# KiCad board pcb.kicad_pcb
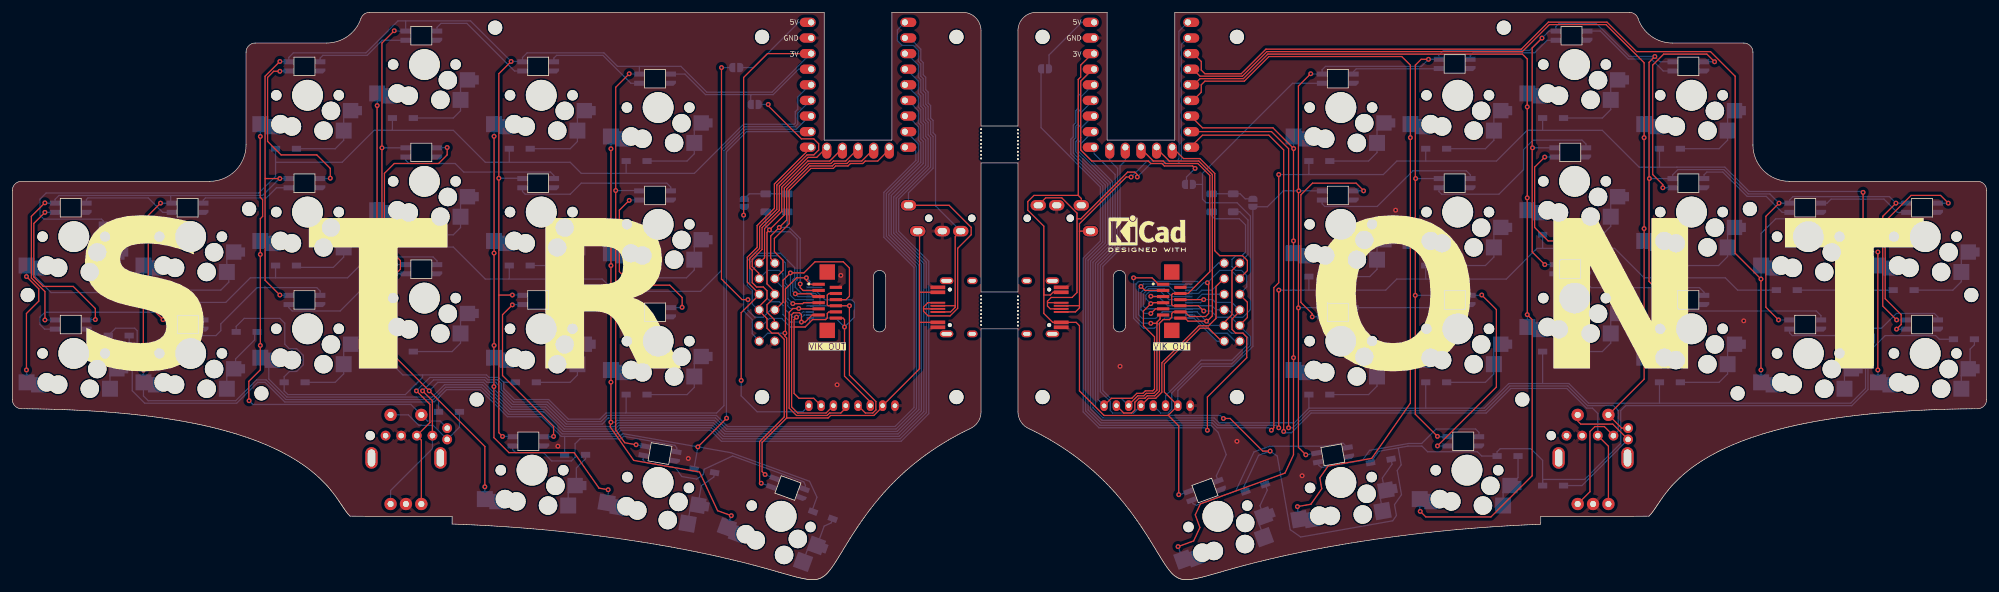
[diagram p0: board, top side]
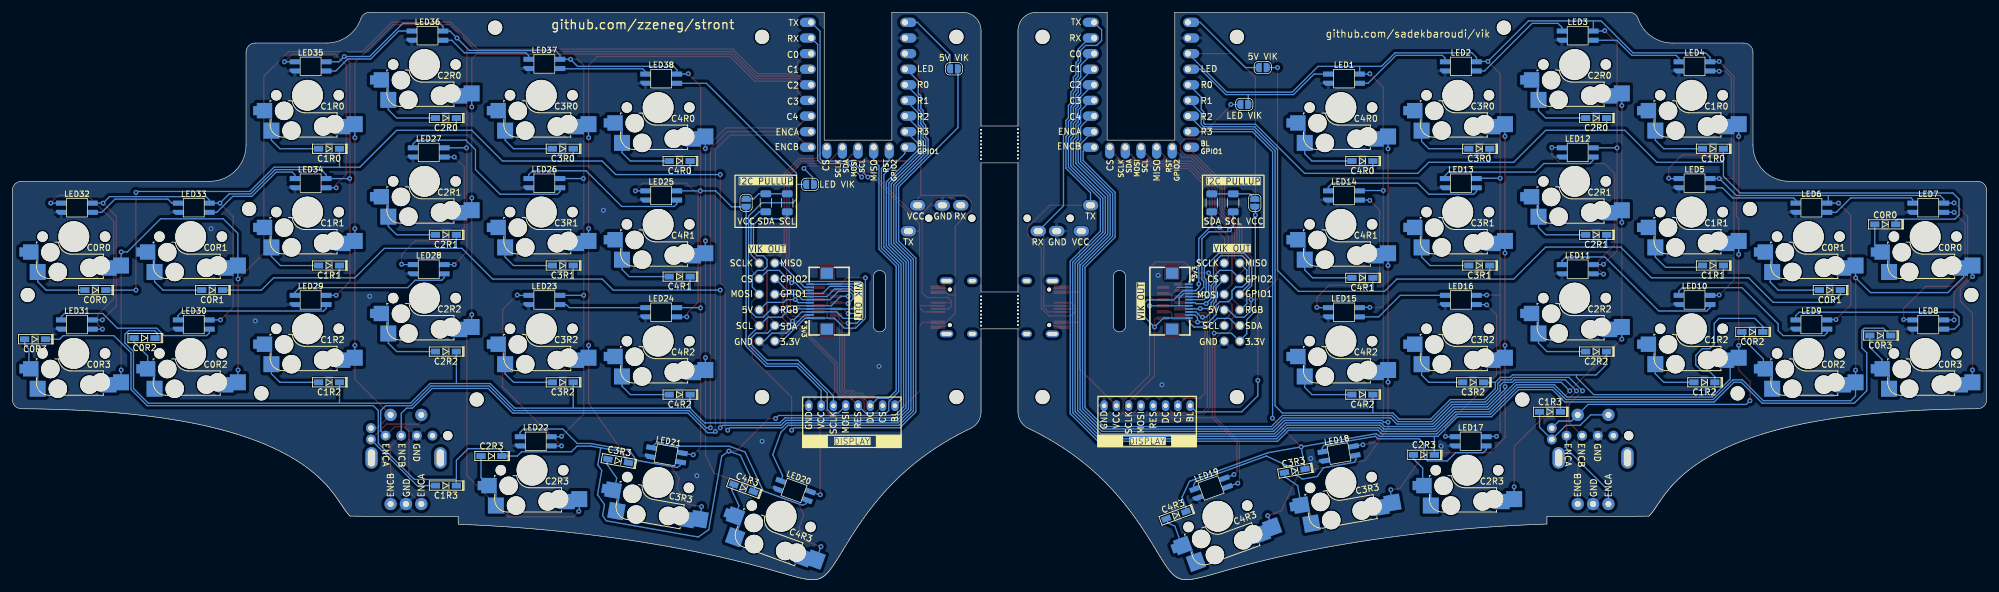
[diagram p1: board, bottom side, seen from below]

Outline 321 x 92.32 mm; copper layers: Top, Bottom. Coordinates in mm from the lower left corner of the outline.
Outline path: 157.5,27.32 157.5,40.82 163.5,40.82 163.5,27.32 ; 157.5,27.32 arc(156.98,25.63) 155.6,24.53 155.21,24.34 154.83,24.14 154.44,23.95 154.06,23.75 153.69,23.55 153.32,23.35 152.95,23.14 152.59,22.94 152.23,22.73 151.87,22.52 151.52,22.31 151.17,22.09 150.82,21.87 150.48,21.66 150.14,21.44 149.81,21.21 149.48,20.99 149.15,20.76 148.83,20.54 148.51,20.31 148.19,20.08 147.88,19.84 147.57,19.61 147.27,19.37 146.97,19.14 146.67,18.9 146.38,18.66 146.09,18.42 145.8,18.18 145.52,17.93 145.24,17.69 144.97,17.44 144.7,17.19 144.43,16.95 144.17,16.7 143.91,16.45 143.65,16.2 143.4,15.95 143.15,15.69 142.9,15.44 142.66,15.19 142.42,14.93 142.18,14.68 141.95,14.43 141.72,14.17 141.5,13.92 141.28,13.66 141.06,13.41 140.84,13.16 140.63,12.9 140.42,12.65 140.22,12.4 140.02,12.14 139.82,11.89 139.62,11.64 139.43,11.39 139.24,11.14 139.05,10.89 138.87,10.65 138.69,10.4 138.51,10.15 138.34,9.91 138.17,9.67 138,9.43 137.83,9.19 137.67,8.95 137.51,8.71 137.35,8.48 137.19,8.24 137.04,8.01 136.89,7.78 136.74,7.55 136.6,7.33 136.46,7.11 136.32,6.89 136.18,6.67 136.05,6.45 135.91,6.24 135.78,6.03 135.66,5.82 135.53,5.62 135.41,5.41 135.29,5.21 135.17,5.02 134.94,4.64 134.82,4.45 134.71,4.27 134.6,4.09 134.49,3.91 134.39,3.74 134.28,3.57 134.18,3.4 134.08,3.24 133.98,3.08 133.88,2.92 133.78,2.77 133.68,2.62 133.59,2.48 133.49,2.34 133.4,2.2 133.3,2.07 133.21,1.94 133.12,1.82 133.03,1.7 132.94,1.58 132.85,1.47 132.76,1.36 132.67,1.26 132.58,1.16 132.5,1.07 132.41,0.98 132.32,0.89 132.23,0.81 132.15,0.73 132.06,0.66 131.97,0.59 131.88,0.53 131.79,0.47 131.7,0.41 131.61,0.36 131.52,0.31 131.42,0.26 131.33,0.22 131.23,0.18 131.13,0.15 131.03,0.12 130.93,0.09 130.82,0.07 130.72,0.05 130.61,0.03 130.49,0.02 130.38,0.01 130.26,0 130.14,0 130.02,0 129.89,0 129.76,0.01 129.63,0.02 129.49,0.04 129.35,0.05 129.21,0.07 129.06,0.09 128.9,0.12 128.75,0.15 128.58,0.18 128.42,0.21 128.25,0.25 128.07,0.29 127.89,0.33 127.71,0.38 127.52,0.43 127.32,0.48 127.12,0.53 126.92,0.58 126.71,0.64 126.49,0.7 126.27,0.76 126.05,0.82 125.82,0.89 125.58,0.96 125.34,1.02 125.1,1.09 124.85,1.17 124.33,1.31 124.06,1.39 123.79,1.47 123.51,1.55 123.23,1.63 122.94,1.71 122.65,1.79 122.35,1.87 122.05,1.96 121.74,2.04 121.42,2.13 121.1,2.22 120.77,2.3 120.44,2.39 120.1,2.48 119.76,2.57 119.41,2.66 119.05,2.75 118.69,2.84 118.32,2.93 117.95,3.02 117.58,3.11 117.2,3.2 116.81,3.3 116.42,3.39 116.02,3.48 115.62,3.57 115.22,3.67 114.81,3.76 114.39,3.85 113.97,3.94 113.55,4.04 113.12,4.13 112.69,4.22 112.26,4.31 111.81,4.4 111.37,4.49 110.92,4.59 110.47,4.68 110.01,4.77 109.56,4.86 109.09,4.95 108.63,5.04 108.16,5.12 107.68,5.21 107.2,5.3 106.72,5.39 106.24,5.47 105.76,5.56 105.27,5.64 104.77,5.73 104.28,5.81 103.78,5.89 103.29,5.97 102.78,6.05 102.28,6.13 101.78,6.21 100.76,6.37 99.74,6.52 98.71,6.67 97.68,6.82 96.64,6.96 95.6,7.1 94.56,7.23 93.51,7.36 92.47,7.48 91.43,7.6 90.39,7.72 89.35,7.83 88.31,7.94 87.28,8.04 86.25,8.14 85.74,8.18 85.24,8.23 84.73,8.27 84.22,8.31 83.72,8.35 83.22,8.39 82.72,8.43 82.23,8.47 81.73,8.51 81.24,8.54 80.76,8.58 80.27,8.61 79.79,8.64 79.31,8.67 78.83,8.7 78.36,8.73 77.89,8.76 77.42,8.79 76.96,8.81 76.5,8.84 76.05,8.86 75.59,8.89 75.14,8.91 74.7,8.93 74.26,8.95 73.82,8.97 73.39,8.98 72.96,9 72.54,9.02 72.12,9.03 71.5,9.05 71.5,9.32 71.5,10.32 57.5,10.32 54.92,10.34 54.82,10.44 54.76,10.5 54.69,10.57 54.63,10.65 54.56,10.72 54.5,10.8 54.44,10.87 54.37,10.96 54.31,11.04 54.25,11.12 54.18,11.21 54.12,11.3 54.05,11.39 53.99,11.49 53.92,11.58 53.85,11.68 53.79,11.78 53.72,11.89 53.65,11.99 53.57,12.1 53.42,12.32 53.35,12.44 53.27,12.55 53.19,12.67 53.11,12.79 53.02,12.92 52.94,13.04 52.85,13.17 52.76,13.3 52.66,13.43 52.57,13.56 52.47,13.7 52.37,13.83 52.26,13.97 52.16,14.11 52.05,14.25 51.93,14.39 51.82,14.53 51.7,14.68 51.58,14.82 51.45,14.97 51.32,15.12 51.19,15.27 51.05,15.42 50.91,15.57 50.77,15.73 50.62,15.88 50.47,16.03 50.31,16.19 50.15,16.35 49.98,16.51 49.81,16.66 49.64,16.82 49.46,16.98 49.28,17.14 49.09,17.3 48.9,17.47 48.7,17.63 48.49,17.79 48.29,17.95 48.07,18.12 47.85,18.28 47.63,18.45 47.4,18.61 47.16,18.78 46.92,18.94 46.67,19.1 46.42,19.27 46.16,19.43 45.89,19.6 45.62,19.76 45.34,19.93 45.06,20.09 44.77,20.25 44.47,20.41 44.17,20.58 43.86,20.74 43.54,20.9 43.22,21.06 42.89,21.22 42.55,21.38 42.21,21.54 41.86,21.69 41.5,21.85 41.14,22.01 40.77,22.16 40.39,22.31 40,22.47 39.61,22.62 39.21,22.77 38.8,22.92 38.39,23.06 37.96,23.21 37.53,23.35 37.09,23.5 36.65,23.64 36.42,23.71 36.19,23.78 35.96,23.85 35.73,23.92 35.5,23.99 35.26,24.05 35.02,24.12 34.78,24.19 34.54,24.25 34.3,24.32 34.05,24.39 33.8,24.45 33.55,24.52 33.3,24.58 33.05,24.65 32.79,24.71 32.53,24.77 32.27,24.84 32.01,24.9 31.74,24.96 31.48,25.02 31.21,25.08 30.94,25.14 30.66,25.2 30.39,25.26 30.11,25.32 29.83,25.37 29.55,25.43 29.26,25.49 28.98,25.54 28.69,25.6 28.4,25.65 28.1,25.71 27.81,25.76 27.51,25.81 27.21,25.87 26.91,25.92 26.61,25.97 26.3,26.02 25.99,26.07 25.68,26.12 25.37,26.17 25.05,26.21 24.73,26.26 24.42,26.31 24.09,26.35 23.77,26.4 23.44,26.44 23.11,26.49 22.78,26.53 22.45,26.57 22.12,26.62 21.78,26.66 21.44,26.7 21.1,26.74 20.75,26.78 20.4,26.82 20.06,26.85 19.71,26.89 19.35,26.93 19,26.96 18.64,27 18.28,27.03 17.92,27.07 17.55,27.1 17.18,27.13 16.81,27.17 16.44,27.2 16.07,27.23 15.69,27.26 15.31,27.29 14.93,27.31 14.55,27.34 14.16,27.37 13.78,27.39 13.39,27.42 12.99,27.44 12.6,27.47 12.2,27.49 11.8,27.51 11.4,27.53 10.99,27.56 10.59,27.58 10.18,27.59 9.77,27.61 9.35,27.63 8.94,27.65 8.52,27.66 8.1,27.68 7.68,27.69 7.25,27.71 6.82,27.72 6.39,27.73 5.96,27.74 5.52,27.76 5.09,27.77 4.65,27.77 4.2,27.78 3.76,27.79 3.31,27.8 2.86,27.8 2.41,27.81 1.96,27.81 1.5,27.82 arc(0.44,28.26) 0,29.32 0,63.32 arc(0.44,64.38) 1.5,64.82 32.1,64.82 arc(36.27,66.55) 38,70.72 38,85.82 arc(38.44,86.88) 39.5,87.32 51.1,87.32 arc(54.53,88.42) 56.68,91.3 arc(57.23,92.04) 58.1,92.32 132,92.32 132,71.52 143,71.52 143,92.32 154.5,92.32 arc(156.62,91.44) 157.5,89.32 157.5,73.82 163.5,73.82 163.5,89.32 arc(164.38,91.44) 166.5,92.32 178,92.32 178,71.52 189,71.52 189,92.32 262.9,92.32 arc(263.77,92.04) 264.32,91.3 arc(266.47,88.42) 269.9,87.32 281.5,87.32 arc(282.56,86.88) 283,85.82 283,70.72 arc(284.73,66.55) 288.9,64.82 319.5,64.82 arc(320.56,64.38) 321,63.32 321,29.32 arc(320.56,28.26) 319.5,27.82 319.04,27.81 318.59,27.81 318.14,27.8 317.69,27.8 317.24,27.79 316.8,27.78 316.35,27.77 315.91,27.77 315.48,27.76 315.04,27.74 314.61,27.73 314.18,27.72 313.75,27.71 313.32,27.69 312.9,27.68 312.48,27.66 312.06,27.65 311.65,27.63 311.23,27.61 310.82,27.59 310.41,27.58 310.01,27.56 309.6,27.53 309.2,27.51 308.8,27.49 308.4,27.47 308.01,27.44 307.61,27.42 307.22,27.39 306.84,27.37 306.45,27.34 306.07,27.31 305.69,27.29 305.31,27.26 304.93,27.23 304.56,27.2 304.19,27.17 303.82,27.13 303.45,27.1 303.08,27.07 302.72,27.03 302.36,27 302,26.96 301.65,26.93 301.29,26.89 300.94,26.85 300.6,26.82 300.25,26.78 299.9,26.74 299.56,26.7 299.22,26.66 298.88,26.62 298.55,26.57 298.22,26.53 297.89,26.49 297.56,26.44 297.23,26.4 296.91,26.35 296.58,26.31 296.27,26.26 295.95,26.21 295.63,26.17 295.32,26.12 295.01,26.07 294.7,26.02 294.39,25.97 294.09,25.92 293.79,25.87 293.49,25.81 293.19,25.76 292.9,25.71 292.6,25.65 292.31,25.6 292.02,25.54 291.74,25.49 291.45,25.43 291.17,25.37 290.89,25.32 290.61,25.26 290.34,25.2 290.06,25.14 289.79,25.08 289.52,25.02 289.26,24.96 288.99,24.9 288.73,24.84 288.47,24.77 288.21,24.71 287.95,24.65 287.7,24.58 287.45,24.52 287.2,24.45 286.95,24.39 286.7,24.32 286.46,24.25 286.22,24.19 285.98,24.12 285.74,24.05 285.5,23.99 285.27,23.92 285.04,23.85 284.81,23.78 284.58,23.71 284.35,23.64 283.91,23.5 283.47,23.35 283.04,23.21 282.61,23.06 282.2,22.92 281.79,22.77 281.39,22.62 281,22.47 280.61,22.31 280.23,22.16 279.86,22.01 279.5,21.85 279.14,21.69 278.79,21.54 278.45,21.38 278.11,21.22 277.78,21.06 277.46,20.9 277.14,20.74 276.83,20.58 276.53,20.41 276.23,20.25 275.94,20.09 275.66,19.93 275.38,19.76 275.11,19.6 274.84,19.43 274.58,19.27 274.33,19.1 274.08,18.94 273.84,18.78 273.6,18.61 273.37,18.45 273.15,18.28 272.93,18.12 272.71,17.95 272.51,17.79 272.3,17.63 272.1,17.47 271.91,17.3 271.72,17.14 271.54,16.98 271.36,16.82 271.19,16.66 271.02,16.51 270.85,16.35 270.69,16.19 270.53,16.03 270.38,15.88 270.23,15.73 270.09,15.57 269.95,15.42 269.81,15.27 269.68,15.12 269.55,14.97 269.42,14.82 269.3,14.68 269.18,14.53 269.07,14.39 268.95,14.25 268.84,14.11 268.74,13.97 268.63,13.83 268.53,13.7 268.43,13.56 268.34,13.43 268.24,13.3 268.15,13.17 268.06,13.04 267.98,12.92 267.89,12.79 267.81,12.67 267.73,12.55 267.65,12.44 267.58,12.32 267.43,12.1 267.35,11.99 267.28,11.89 267.21,11.78 267.15,11.68 267.08,11.58 267.01,11.49 266.95,11.39 266.88,11.3 266.82,11.21 266.75,11.12 266.69,11.04 266.63,10.96 266.56,10.87 266.5,10.8 266.44,10.72 266.37,10.65 266.31,10.57 266.24,10.5 266.18,10.44 266.08,10.34 263.5,10.32 248.5,10.32 248.5,9.32 248.46,9.02 248.04,9 247.61,8.98 247.18,8.97 246.74,8.95 246.3,8.93 245.86,8.91 245.41,8.89 244.95,8.86 244.5,8.84 244.04,8.81 243.58,8.79 243.11,8.76 242.64,8.73 242.17,8.7 241.69,8.67 241.21,8.64 240.73,8.61 240.24,8.58 239.76,8.54 239.27,8.51 238.77,8.47 238.28,8.43 237.78,8.39 237.28,8.35 236.78,8.31 236.27,8.27 235.76,8.23 235.26,8.18 234.75,8.14 233.72,8.04 232.69,7.94 231.65,7.83 230.61,7.72 229.57,7.6 228.53,7.48 227.49,7.36 226.44,7.23 225.4,7.1 224.36,6.96 223.32,6.82 222.29,6.67 221.26,6.52 220.24,6.37 219.22,6.21 218.72,6.13 218.22,6.05 217.71,5.97 217.22,5.89 216.72,5.81 216.23,5.73 215.73,5.64 215.24,5.56 214.76,5.47 214.28,5.39 213.8,5.3 213.32,5.21 212.84,5.12 212.37,5.04 211.91,4.95 211.44,4.86 210.99,4.77 210.53,4.68 210.08,4.59 209.63,4.49 209.19,4.4 208.74,4.31 208.31,4.22 207.88,4.13 207.45,4.04 207.03,3.94 206.61,3.85 206.19,3.76 205.78,3.67 205.38,3.57 204.98,3.48 204.58,3.39 204.19,3.3 203.8,3.2 203.42,3.11 203.05,3.02 202.68,2.93 202.31,2.84 201.95,2.75 201.59,2.66 201.24,2.57 200.9,2.48 200.56,2.39 200.23,2.3 199.9,2.22 199.58,2.13 199.26,2.04 198.95,1.96 198.65,1.87 198.35,1.79 198.06,1.71 197.77,1.63 197.49,1.55 197.21,1.47 196.94,1.39 196.67,1.31 196.15,1.17 195.9,1.09 195.66,1.02 195.42,0.96 195.18,0.89 194.95,0.82 194.73,0.76 194.51,0.7 194.29,0.64 194.08,0.58 193.88,0.53 193.68,0.48 193.48,0.43 193.29,0.38 193.11,0.33 192.93,0.29 192.75,0.25 192.58,0.21 192.42,0.18 192.25,0.15 192.1,0.12 191.94,0.09 191.79,0.07 191.65,0.05 191.51,0.04 191.37,0.02 191.24,0.01 191.11,0 190.98,0 190.86,0 190.74,0 190.62,0.01 190.51,0.02 190.39,0.03 190.28,0.05 190.18,0.07 190.07,0.09 189.97,0.12 189.87,0.15 189.77,0.18 189.67,0.22 189.58,0.26 189.48,0.31 189.39,0.36 189.3,0.41 189.21,0.47 189.12,0.53 189.03,0.59 188.94,0.66 188.85,0.73 188.77,0.81 188.68,0.89 188.59,0.98 188.5,1.07 188.42,1.16 188.33,1.26 188.24,1.36 188.15,1.47 188.06,1.58 187.97,1.7 187.88,1.82 187.79,1.94 187.7,2.07 187.6,2.2 187.51,2.34 187.41,2.48 187.32,2.62 187.22,2.77 187.12,2.92 187.02,3.08 186.92,3.24 186.82,3.4 186.72,3.57 186.61,3.74 186.51,3.91 186.4,4.09 186.29,4.27 186.18,4.45 186.06,4.64 185.83,5.02 185.71,5.21 185.59,5.41 185.47,5.62 185.34,5.82 185.22,6.03 185.09,6.24 184.95,6.45 184.82,6.67 184.68,6.89 184.54,7.11 184.4,7.33 184.26,7.55 184.11,7.78 183.96,8.01 183.81,8.24 183.65,8.48 183.49,8.71 183.33,8.95 183.17,9.19 183,9.43 182.83,9.67 182.66,9.91 182.49,10.15 182.31,10.4 182.13,10.65 181.95,10.89 181.76,11.14 181.57,11.39 181.38,11.64 181.18,11.89 180.98,12.14 180.78,12.4 180.58,12.65 180.37,12.9 180.16,13.16 179.94,13.41 179.72,13.66 179.5,13.92 179.28,14.17 179.05,14.43 178.82,14.68 178.58,14.93 178.34,15.19 178.1,15.44 177.85,15.69 177.6,15.95 177.35,16.2 177.09,16.45 176.83,16.7 176.57,16.95 176.3,17.19 176.03,17.44 175.76,17.69 175.48,17.93 175.2,18.18 174.91,18.42 174.62,18.66 174.33,18.9 174.03,19.14 173.73,19.37 173.43,19.61 173.12,19.84 172.81,20.08 172.49,20.31 172.17,20.54 171.85,20.76 171.52,20.99 171.19,21.21 170.86,21.44 170.52,21.66 170.18,21.87 169.83,22.09 169.48,22.31 169.13,22.52 168.77,22.73 168.41,22.94 168.05,23.14 167.68,23.35 167.31,23.55 166.94,23.75 166.56,23.95 166.17,24.14 165.79,24.34 165.4,24.53 arc(164.02,25.63) 163.5,27.32 ; 140,49.32 140,41.32 arc(141,40.32) 142,41.32 142,49.32 arc(141,50.32) 140,49.32 ; 157.5,67.82 157.5,46.82 163.5,46.82 163.5,67.82 157.5,67.82 ; 179,49.32 179,41.32 arc(180,40.32) 181,41.32 181,49.32 arc(180,50.32) 179,49.32
Stack: Top 0.035mm / dielectric 1.51mm FR4 er 4.5 / Bottom 0.035mm

## Placement (name value [footprint] x y rotation side)
BR1  MountingHole  [Hole_Breakaway-Tabs]  157.5 70.91 90 top
BR2  MountingHole  [Hole_Breakaway-Tabs]  157.5 43.82 90 top
BR3  MountingHole  [Hole_Breakaway-Tabs]  163.5 70.82 90 top
BR4  MountingHole  [Hole_Breakaway-Tabs]  163.5 43.72 90 top
D1  D  [Diode_1N4148-SOD123]  16.5 57.82 0 bottom
D2  D  [Diode_1N4148-SOD123]  44.5 70.12 0 bottom
D3  D  [Diode_1N4148-SOD123]  63.5 75.12 0 bottom
D4  D  [Diode_1N4148-SOD123]  82.5 70.12 0 bottom
D5  D  [Diode_1N4148-SOD123]  101.5 68.12 0 bottom
D6  D  [Diode_1N4148-SOD123]  25.5 47.12 0 bottom
D7  D  [Diode_1N4148-SOD123]  44.5 51.12 0 bottom
D8  D  [Diode_1N4148-SOD123]  63.5 56.12 0 bottom
D9  D  [Diode_1N4148-SOD123]  82.5 51.12 0 bottom
D10  D  [Diode_1N4148-SOD123]  101.5 49.12 0 bottom
D11  D  [Diode_1N4148-SOD123]  38.1 40.32 0 bottom
D12  D  [Diode_1N4148-SOD123]  45.9 32.12 0 bottom
D13  D  [Diode_1N4148-SOD123]  63.5 37.12 0 bottom
D14  D  [Diode_1N4148-SOD123]  83.5 32.12 0 bottom
D15  D  [Diode_1N4148-SOD123]  101.5 30.12 0 bottom
D16  D  [Diode_1N4148-SOD123]  17.3 39.72 0 bottom
D17  D  [Diode_1N4148-SOD123]  71 27.32 0 bottom
D18  D  [Diode_1N4148-SOD123]  91.5 20.32 0 bottom
D19  D  [Diode_1N4148-SOD123]  112.5 17.72 350 bottom
D20  D  [Diode_1N4148-SOD123]  131.79 10.5 340 bottom
D21  D  [Diode_1N4148-SOD123]  307.5 47.12 0 bottom
D22  D  [Diode_1N4148-SOD123]  269.5 70.12 0 bottom
D23  D  [Diode_1N4148-SOD123]  250.5 75.12 0 bottom
D24  D  [Diode_1N4148-SOD123]  231.5 70.12 0 bottom
D25  D  [Diode_1N4148-SOD123]  212.5 68.12 0 bottom
D26  D  [Diode_1N4148-SOD123]  288.5 47.12 0 bottom
D27  D  [Diode_1N4148-SOD123]  269.5 51.12 0 bottom
D28  D  [Diode_1N4148-SOD123]  250.5 56.12 0 bottom
D29  D  [Diode_1N4148-SOD123]  231.5 51.12 0 bottom
D30  D  [Diode_1N4148-SOD123]  212.5 49.32 0 bottom
D31  D  [Diode_1N4148-SOD123]  299.5 39.32 0 bottom
D32  D  [Diode_1N4148-SOD123]  269.5 32.12 0 bottom
D33  D  [Diode_1N4148-SOD123]  250.5 37.12 0 bottom
D34  D  [Diode_1N4148-SOD123]  231.5 32.12 0 bottom
D35  D  [Diode_1N4148-SOD123]  212.5 30.12 0 bottom
D36  D  [Diode_1N4148-SOD123]  317.3 39.12 0 bottom
D37  D  [Diode_1N4148-SOD123]  250.5 15.32 0 bottom
D38  D  [Diode_1N4148-SOD123]  243.1 20.12 0 bottom
D39  D  [Diode_1N4148-SOD123]  222.5 19.32 10 bottom
D40  D  [Diode_1N4148-SOD123]  202.1 14.92 20 bottom
DISP1  Display_generic-spi-8pin  [Connector_Display-8pin-SPI-2.0mm]  143.5 28.32 180 top
DISP2  Display_generic-spi-8pin  [Connector_Display-8pin-SPI-2.0mm]  191.5 28.32 180 top
H1  MountingHole  [Hole_M2#2]  153.5 27.82 0 top
H2  MountingHole  [Hole_M2]  2.5 46.32 0 top
H3  MountingHole  [Hole_M2]  38.5 60.32 0 top
H4  MountingHole  [Hole_M2]  78.5 89.82 0 top
H5  MountingHole  [Hole_M2]  121.9 88.32 0 top
H6  MountingHole  [Hole_M2#7]  119.5 27.82 0 top
H7  MountingHole  [Hole_M2#3]  75.9 29.12 0 top
H8  MountingHole  [Hole_M2]  242.5 89.82 0 top
H9  MountingHole  [Hole_M2#4]  201.5 27.82 0 top
H10  MountingHole  [Hole_M2]  318.5 46.32 0 top
H11  MountingHole  [Hole_M2]  40.5 30.32 0 top
H12  MountingHole  [Hole_M2#8]  244.5 27.82 0 top
H13  MountingHole  [Hole_M2#2]  167.5 27.82 0 top
H14  MountingHole  [Hole_M2#6]  201.5 88.32 0 top
H15  MountingHole  [Hole_M2]  282.5 60.32 0 top
H16  MountingHole  [Hole_M2#5]  280.5 31.32 0 top
H17  MountingHole  [Hole_M2]  153.5 88.32 0 top
H19  MountingHole  [Hole_M2]  167.5 88.32 0 top
JP1  SolderJumper_2_Open  [SolderJumper-2_P1.3mm_Open_RoundedPad1.0x1.5mm]  117.7 83.32 180 bottom
JP2  SolderJumper_2_Open  [SolderJumper-2_P1.3mm_Open_RoundedPad1.0x1.5mm]  167.9 83.12 180 bottom
JP3  SolderJumper_2_Open  [SolderJumper-2_P1.3mm_Open_RoundedPad1.0x1.5mm]  119 61.32 270 bottom
JP4  SolderJumper_2_Open  [SolderJumper-2_P1.3mm_Open_RoundedPad1.0x1.5mm]  201.7 61.32 270 bottom
JP5  SolderJumper_2_Open  [SolderJumper-2_P1.3mm_Open_RoundedPad1.0x1.5mm]  120.7 77.32 0 bottom
JP6  SolderJumper_2_Open  [SolderJumper-2_P1.3mm_Open_RoundedPad1.0x1.5mm]  191.3 64.32 0 bottom
LED1  YS-SK6812MINI-E  [LED_SK6812-MINI-E]  104.5 81.52 180 bottom
LED2  YS-SK6812MINI-E  [LED_SK6812-MINI-E]  85.5 83.52 180 bottom
LED3  YS-SK6812MINI-E  [LED_SK6812-MINI-E]  66.5 88.52 180 bottom
LED4  YS-SK6812MINI-E  [LED_SK6812-MINI-E]  47.5 83.52 180 bottom
LED5  YS-SK6812MINI-E  [LED_SK6812-MINI-E]  47.5 64.52 180 bottom
LED6  YS-SK6812MINI-E  [LED_SK6812-MINI-E]  28.5 60.52 180 bottom
LED7  YS-SK6812MINI-E  [LED_SK6812-MINI-E]  9.5 60.52 180 bottom
LED8  YS-SK6812MINI-E  [LED_SK6812-MINI-E]  9.5 41.52 180 bottom
LED9  YS-SK6812MINI-E  [LED_SK6812-MINI-E]  28.5 41.52 180 bottom
LED10  YS-SK6812MINI-E  [LED_SK6812-MINI-E]  47.5 45.52 180 bottom
LED11  YS-SK6812MINI-E  [LED_SK6812-MINI-E]  66.5 50.52 180 bottom
LED12  YS-SK6812MINI-E  [LED_SK6812-MINI-E]  66.5 69.52 180 bottom
LED13  YS-SK6812MINI-E  [LED_SK6812-MINI-E]  85.5 64.52 180 bottom
LED14  YS-SK6812MINI-E  [LED_SK6812-MINI-E]  104.5 62.52 180 bottom
LED15  YS-SK6812MINI-E  [LED_SK6812-MINI-E]  104.5 43.52 180 bottom
LED16  YS-SK6812MINI-E  [LED_SK6812-MINI-E]  85.5 45.52 180 bottom
LED17  YS-SK6812MINI-E  [LED_SK6812-MINI-E]  83.9 22.52 180 bottom
LED18  YS-SK6812MINI-E  [LED_SK6812-MINI-E]  105.3 20.52 170 bottom
LED19  YS-SK6812MINI-E  [LED_SK6812-MINI-E]  126.1 14.92 160 bottom
LED20  YS-SK6812MINI-E  [LED_SK6812-MINI-E]  193.9 14.52 200 bottom
LED21  YS-SK6812MINI-E  [LED_SK6812-MINI-E]  214.7 20.32 190 bottom
LED22  YS-SK6812MINI-E  [LED_SK6812-MINI-E]  235.9 22.52 180 bottom
LED23  YS-SK6812MINI-E  [LED_SK6812-MINI-E]  234.5 45.52 180 bottom
LED24  YS-SK6812MINI-E  [LED_SK6812-MINI-E]  215.5 43.52 180 bottom
LED25  YS-SK6812MINI-E  [LED_SK6812-MINI-E]  215.5 62.52 180 bottom
LED26  YS-SK6812MINI-E  [LED_SK6812-MINI-E]  234.5 64.52 180 bottom
LED27  YS-SK6812MINI-E  [LED_SK6812-MINI-E]  253.3 69.52 180 bottom
LED28  YS-SK6812MINI-E  [LED_SK6812-MINI-E]  253.3 50.52 180 bottom
LED29  YS-SK6812MINI-E  [LED_SK6812-MINI-E]  272.5 45.52 180 bottom
LED30  YS-SK6812MINI-E  [LED_SK6812-MINI-E]  291.5 41.52 180 bottom
LED31  YS-SK6812MINI-E  [LED_SK6812-MINI-E]  310.5 41.52 180 bottom
LED32  YS-SK6812MINI-E  [LED_SK6812-MINI-E]  310.5 60.52 180 bottom
LED33  YS-SK6812MINI-E  [LED_SK6812-MINI-E]  291.5 60.52 180 bottom
LED34  YS-SK6812MINI-E  [LED_SK6812-MINI-E]  272.5 64.52 180 bottom
LED35  YS-SK6812MINI-E  [LED_SK6812-MINI-E]  272.5 83.52 180 bottom
LED36  YS-SK6812MINI-E  [LED_SK6812-MINI-E]  253.5 88.52 180 bottom
LED37  YS-SK6812MINI-E  [LED_SK6812-MINI-E]  234.5 83.92 180 bottom
LED38  YS-SK6812MINI-E  [LED_SK6812-MINI-E]  215.5 81.52 180 bottom
MCU1  rp2040-zero  [MCU_rp2040-zero-tht]  137.5 80.52 0 top
MCU2  rp2040-zero  [MCU_rp2040-zero-tht]  183.5 80.52 0 top
R1  R  [R_1206_3216Metric]  122.5 61.32 270 bottom
R2  R  [R_1206_3216Metric]  126 61.32 270 bottom
R3  R  [R_1206_3216Metric]  195 61.32 270 bottom
R4  R  [R_1206_3216Metric]  198.5 61.32 270 bottom
RE1  RotaryEncoder_Switch  [RotaryEncoder_EC11]  64 19.82 90 top
RE2  RotaryEncoder_Switch  [RotaryEncoder_EC11]  257 19.82 90 top
REF**  -  [KiCad-Logo2_5mm_SilkScreen]  184.5 56.32 0 top
REF**#2  -  [Logo_stront-small]  270.5 26.32 0 top
REF**#3  -  [Logo_QMK-soldermask]  136.5 56.32 0 top
REF**#4  -  [Logo_stront-small]  50.5 26.32 0 top
REF**#5  -  [Display_1.69inch]  188.1 52.32 180 top
REF**#6  -  [Display_1.69inch]  137.5 59.81 180 top
REF**#7  -  [Logo_stront-small]  134.5 57.32 180 bottom
REF**#8  -  [Logo_stront-small]  186.5 57.32 180 bottom
ROLL1  RollerEncoder_EVQWGD001  [RotaryEncoder_EVQWGD001]  64.5 17.82 270 top
ROLL2  RollerEncoder_EVQWGD001  [RotaryEncoder_EVQWGD001]  256.5 17.82 270 top
SW1  Switch  [Switch_MXKS-hotswap-south]  10 55.82 0 top
SW2  Switch  [Switch_MXKS-hotswap-south]  48 78.82 0 top
SW3  Switch  [Switch_MXKS-hotswap-south]  67 83.82 0 top
SW4  Switch  [Switch_MXKS-hotswap-south]  86 78.82 0 top
SW5  Switch  [Switch_MXKS-hotswap-south]  105 76.82 0 top
SW6  Switch  [Switch_MXKS-hotswap-south]  29 55.82 0 top
SW7  Switch  [Switch_MXKS-hotswap-south]  48 59.82 0 top
SW8  Switch  [Switch_MXKS-hotswap-south]  67 64.81 0 top
SW9  Switch  [Switch_MXKS-hotswap-south]  86 59.82 0 top
SW10  Switch  [Switch_MXKS-hotswap-south]  105 57.82 0 top
SW11  Switch  [Switch_MXKS-hotswap-south]  29 36.82 0 top
SW12  Switch  [Switch_MXKS-hotswap-south]  48 40.82 0 top
SW13  Switch  [Switch_MXKS-hotswap-south]  67 45.82 0 top
SW14  Switch  [Switch_MXKS-hotswap-south]  86 40.82 0 top
SW15  Switch  [Switch_MXKS-hotswap-south]  105 38.82 0 top
SW16  Switch  [Switch_MXKS-hotswap-south]  10 36.82 0 top
SW17  Switch  [Switch_MXKS-hotswap-south]  84.5 17.82 0 top
SW18  Switch  [Switch_MXKS-hotswap-south]  105 15.82 350 top
SW19  Switch  [Switch_MXKS-hotswap-south]  125 10.32 340 top
SW20  Switch  [Switch_MXKS-hotswap-south]  311 55.82 0 top
SW21  Switch  [Switch_MXKS-hotswap-south]  273 78.82 0 top
SW22  Switch  [Switch_MXKS-hotswap-south]  254 83.82 0 top
SW23  Switch  [Switch_MXKS-hotswap-south]  235 78.82 0 top
SW24  Switch  [Switch_MXKS-hotswap-south]  216 76.82 0 top
SW25  Switch  [Switch_MXKS-hotswap-south]  292 55.82 0 top
SW26  Switch  [Switch_MXKS-hotswap-south]  273 59.82 0 top
SW27  Switch  [Switch_MXKS-hotswap-south]  254 64.82 0 top
SW28  Switch  [Switch_MXKS-hotswap-south]  235 59.82 0 top
SW29  Switch  [Switch_MXKS-hotswap-south]  216 57.82 0 top
SW30  Switch  [Switch_MXKS-hotswap-south]  292 36.82 0 top
SW31  Switch  [Switch_MXKS-hotswap-south]  273 40.82 0 top
SW32  Switch  [Switch_MXKS-hotswap-south]  254 45.82 0 top
SW33  Switch  [Switch_MXKS-hotswap-south]  235 40.82 0 top
SW34  Switch  [Switch_MXKS-hotswap-south]  216 38.82 0 top
SW35  Switch  [Switch_MXKS-hotswap-south]  311 36.82 0 top
SW36  Switch  [Switch_MXKS-hotswap-south]  236.5 17.82 0 top
SW37  Switch  [Switch_MXKS-hotswap-south]  216 15.82 10 top
SW38  Switch  [Switch_MXKS-hotswap-south]  196 10.32 20 top
TRRS1  AudioJack4  [Connector_TRRS]  157.5 58.82 270 top
TRRS2  AudioJack4  [Connector_TRRS]  163.5 58.82 90 top
USB1  Connector_HRO-TYPE-C-31-M-12  [Connector_HRO-TYPE-C-31-M-12-data]  158.67 44.32 90 top
USB2  Connector_HRO-TYPE-C-31-M-12  [Connector_HRO-TYPE-C-31-M-12-data]  162.32 44.32 270 top
VIK_K1  Connector_VIK-keyboard  [Connector_VIK-vertical-keyboard]  132.5 45.32 0 top
VIK_K2  Connector_VIK-keyboard  [vik-keyboard-throughole]  122.7 43.82 90 top
VIK_K3  Connector_VIK-keyboard  [vik-keyboard-connector-horizontal]  131 45.32 270 bottom
VIK_K4  Connector_VIK-keyboard  [Connector_VIK-vertical-keyboard]  188.5 45.32 0 top
VIK_K5  Connector_VIK-keyboard  [vik-keyboard-throughole]  198.3 43.82 90 top
VIK_K6  Connector_VIK-keyboard  [vik-keyboard-connector-horizontal]  190 45.32 90 bottom

## Library data of the parts
BR1-BR4 H1-H17 H19 = -: ki_fp_filters: MountingHole*
D1 D21 = -: Sim.Pins: 1=K 2=A; col: 0; row: 0; ki_fp_filters: TO-???* *_Diode_* *SingleDiode* D_*
D2 D22 = -: Sim.Pins: 1=K 2=A; col: 1; row: 0; ki_fp_filters: TO-???* *_Diode_* *SingleDiode* D_*
D3 D23 = -: Sim.Pins: 1=K 2=A; col: 2; row: 0; ki_fp_filters: TO-???* *_Diode_* *SingleDiode* D_*
D4 D24 = -: Sim.Pins: 1=K 2=A; col: 3; row: 0; ki_fp_filters: TO-???* *_Diode_* *SingleDiode* D_*
D5 D25 = -: Sim.Pins: 1=K 2=A; col: 4; row: 0; ki_fp_filters: TO-???* *_Diode_* *SingleDiode* D_*
D6 D26 = -: Sim.Pins: 1=K 2=A; col: 0; row: 1; ki_fp_filters: TO-???* *_Diode_* *SingleDiode* D_*
D7 D27 = -: Sim.Pins: 1=K 2=A; col: 1; row: 1; ki_fp_filters: TO-???* *_Diode_* *SingleDiode* D_*
D8 D28 = -: Sim.Pins: 1=K 2=A; col: 2; row: 1; ki_fp_filters: TO-???* *_Diode_* *SingleDiode* D_*
D9 D29 = -: Sim.Pins: 1=K 2=A; col: 3; row: 1; ki_fp_filters: TO-???* *_Diode_* *SingleDiode* D_*
D10 D30 = -: Sim.Pins: 1=K 2=A; col: 4; row: 1; ki_fp_filters: TO-???* *_Diode_* *SingleDiode* D_*
D11 D31 = -: Sim.Pins: 1=K 2=A; col: 0; row: 2; ki_fp_filters: TO-???* *_Diode_* *SingleDiode* D_*
D12 D32 = -: Sim.Pins: 1=K 2=A; col: 1; row: 2; ki_fp_filters: TO-???* *_Diode_* *SingleDiode* D_*
D13 D33 = -: Sim.Pins: 1=K 2=A; col: 2; row: 2; ki_fp_filters: TO-???* *_Diode_* *SingleDiode* D_*
D14 D34 = -: Sim.Pins: 1=K 2=A; col: 3; row: 2; ki_fp_filters: TO-???* *_Diode_* *SingleDiode* D_*
D15 D35 = -: Sim.Pins: 1=K 2=A; col: 4; row: 2; ki_fp_filters: TO-???* *_Diode_* *SingleDiode* D_*
D16 D36 = -: Sim.Pins: 1=K 2=A; col: 0; row: 3; ki_fp_filters: TO-???* *_Diode_* *SingleDiode* D_*
D17 D37 = -: Sim.Pins: 1=K 2=A; col: 1; row: 3; ki_fp_filters: TO-???* *_Diode_* *SingleDiode* D_*
D18 D38 = -: Sim.Pins: 1=K 2=A; col: 2; row: 3; ki_fp_filters: TO-???* *_Diode_* *SingleDiode* D_*
D19 D39 = -: Sim.Pins: 1=K 2=A; col: 3; row: 3; ki_fp_filters: TO-???* *_Diode_* *SingleDiode* D_*
D20 D40 = -: Sim.Pins: 1=K 2=A; col: 4; row: 3; ki_fp_filters: TO-???* *_Diode_* *SingleDiode* D_*
JP1-JP6 = -: ki_fp_filters: SolderJumper*Open*
R1-R4 = -: ki_fp_filters: R_*
RE1 RE2 = -: ki_fp_filters: RotaryEncoder*Switch*
SW1 SW20 = -: col: 0; row: 0
SW2 SW21 = -: col: 1; row: 0
SW3 SW22 = -: col: 2; row: 0
SW4 SW23 = -: col: 3; row: 0
SW5 SW24 = -: col: 4; row: 0
SW6 SW25 = -: col: 0; row: 1
SW7 SW26 = -: col: 1; row: 1
SW8 SW27 = -: col: 2; row: 1
SW9 SW28 = -: col: 3; row: 1
SW10 SW29 = -: col: 4; row: 1
SW11 SW30 = -: col: 0; row: 2
SW12 SW31 = -: col: 1; row: 2
SW13 SW32 = -: col: 2; row: 2
SW14 SW33 = -: col: 3; row: 2
SW15 SW34 = -: col: 4; row: 2
SW16 SW35 = -: col: 0; row: 3
SW17 SW36 = -: col: 2; row: 3
SW18 SW37 = -: col: 3; row: 3
SW19 SW38 = -: col: 4; row: 3
TRRS1 TRRS2 = -: ki_fp_filters: Jack*
VIK_K3 VIK_K6 = -: Field4: C479750

## Footprints (pads in the part's own frame, mm; a bottom-side part is the same pattern mirrored in y, then rotated)
Connector_Display-8pin-SPI-2.0mm
  oval 1.2x1.75 hole 0.75: 1(0,0) 2(2,0) 3(4,0) 4(6,0) 5(8,0) 6(10,0) 7(12,0) 8(14,0)
Connector_HRO-TYPE-C-31-M-12-data
  round 0.65 hole 0.65 unplated: (-2.89,6.25) (2.89,6.25)
  custom 0.6x2.4 smd: 1(-3.25,9.1) 2(-2.45,9.1) 11(2.45,9.1) 12(3.25,9.1)
  custom 0.3x2.4 smd: 5(-0.75,9.1) 6(-0.25,9.1) 7(0.25,9.1) 8(0.75,9.1)
  oval 1.1x2.2 hole 0.6x1.7: 13(-4.32,6.78) 13(4.32,6.78)
  oval 1.1x1.7 hole 0.6x1.2: 13(-4.32,2.6) 13(4.32,2.6)
Connector_TRRS
  round 1.2 hole 1.2 unplated: (0,-1.5) (0,-8.5)
  oval 1.7x2.5 hole 1x1.5: R1(2.1,-6.3) R2(2.1,-3.3) S(-2.1,-11.8) T(2.1,-10.3)
Connector_VIK-vertical-keyboard
  rect 2.5x2.5 smd: (0,4.75) (0,-4.75)
  custom 2x0.5 smd: 1(-1.9,2.75) 2(1.9,2.25) 3(-1.9,1.75) 4(1.9,1.25) 5(-1.9,0.75) 6(1.9,0.25) 8(1.9,-0.75) 9(-1.9,-1.25) 10(1.9,-1.75) 11(-1.9,-2.25) 12(1.9,-2.75)
  rect 2x0.5 smd: 7(-1.4,-0.25)
Diode_1N4148-SOD123
  rect 1.5x0.95 smd: 1(-1.7,0) 2(1.7,0)
Hole_Breakaway-Tabs
  round 0.3 hole 0.3 unplated: (-2.375,0) (-1.781,0) (-1.188,0) (-0.594,0) (0,0) (0.594,0) (1.188,0) (1.781,0) (2.375,0)
Hole_M2
  round 2.3 hole 2.3 unplated: (0,0)
Hole_M2#2
  round 2.3 hole 2.3 unplated: (0,1.9)
Hole_M2#3
  round 2.3 hole 2.3 unplated: (-0.4,0.2)
Hole_M2#4
  round 2.3 hole 2.3 unplated: (-2.4,1.9)
Hole_M2#5
  round 2.3 hole 2.3 unplated: (0,-1)
Hole_M2#6
  round 2.3 hole 2.3 unplated: (-2.4,0)
Hole_M2#7
  round 2.3 hole 2.3 unplated: (2.4,1.9)
Hole_M2#8
  round 2.3 hole 2.3 unplated: (1,1.5)
LED_SK6812-MINI-E
  rect 1.7x0.82 smd: 1(2.55,0.75) 2(2.55,-0.75) 4(-2.55,0.75)
  rrect 1.7x0.82 smd: 3(-2.55,-0.75)
MCU_rp2040-zero-tht
  oval 2.6x1.5 hole 1: 1(7.62,10.16) 2(7.62,7.62) 3(7.62,5.08) 4(7.62,2.54) 5(7.62,0) 6(7.62,-2.54) 7(7.62,-5.08) 8(7.62,-7.62) 9(7.62,-10.16) 15(-7.62,-10.16) 16(-7.62,-7.62) 17(-7.62,-5.08) 18(-7.62,-2.54) 19(-7.62,0) 20(-7.62,2.54) 21(-7.62,5.08) 22(-7.62,7.62) 23(-7.62,10.16)
  oval 1.5x2.6 hole 1: 10(5.08,-10.16) 11(2.54,-10.16) 12(0,-10.16) 13(-2.54,-10.16) 14(-5.08,-10.16)
R_1206_3216Metric
  rrect 1.125x1.75 smd: 1(-1.462,0) 2(1.462,0)
RotaryEncoder_EC11
  oval 3.5x2 hole 2.8x1.2: (0,5.6) (0,-5.6)
  round 2 hole 1: A(-7.5,2.5) B(-7.5,-2.5) C(-7.5,0) S1(7,-2.5) S2(7,2.5)
RotaryEncoder_EVQWGD001
  round 1.5 hole 1.5 unplated: (-5.625,-6.3)
  round 1.6 hole 0.9: A(-5.625,3.81) B(-5.625,1.27) C(-5.625,-1.27) D(-5.625,-3.81) S1(-6.85,6.2) S2(-5,6.2)
SolderJumper-2_P1.3mm_Open_RoundedPad1.0x1.5mm
  custom 1x1.5 smd: 1(-0.65,0) 2(0.65,0)
Switch_MXKS-hotswap-south
  round 1.7 hole 1.7 unplated: (-5.08,0) (5.08,0)
  round 3 hole 3 unplated: (-4.4,-4.7) (-2.54,-5.08) (2.6,-5.75) (3.81,-2.54)
  round 5 hole 5 unplated: (0,0)
  rect 2.6x2.6 smd far side: 1(5.875,-5.75) 2(-7.675,-4.7)
  custom 3.1x2.5 smd far side: 1(7,-2.5) 2(-5.7,-5.1)
vik-keyboard-connector-horizontal
  rect 0.28x1.25 smd: 1(-2.75,1.288) 2(-2.25,1.288) 3(-1.75,1.288) 4(-1.25,1.288) 5(-0.75,1.288) 6(-0.25,1.288) 7(0.25,1.288) 8(0.75,1.288) 9(1.25,1.288) 10(1.75,1.288) 11(2.25,1.288) 12(2.75,1.288)
  rect 1.8x2 smd: 13(4.55,-1.436) 14(-4.55,-1.436)
vik-keyboard-throughole
  round 1.5 hole 1.1: 1(-5,1.27) 2(-5,-1.27) 3(-2.46,1.27) 4(-2.46,-1.27) 5(0.08,1.27) 6(0.08,-1.27) 7(2.62,1.27) 8(2.62,-1.27) 9(5.16,1.27) 10(5.16,-1.27) 11(7.7,1.27) 12(7.7,-1.27)

## Nets
5V_VIK: JP1.2 VIK_K1.6 VIK_K2.6 VIK_K3.6
5V_VIK_r: JP2.2 VIK_K4.6 VIK_K5.6 VIK_K6.6
+5V: JP1.1 MCU1.23
+5VD: JP2.1 MCU2.23
GND: DISP1.1 LED1.3 LED2.3 LED3.3 LED4.3 LED5.3 LED6.3 LED7.3 LED8.3 LED9.3 LED10.3 LED11.3 LED12.3 LED13.3 LED14.3 LED15.3 LED16.3 LED17.3 LED18.3 LED19.3 MCU1.22 RE1.C ROLL1.C TRRS1.R1 USB1.1 USB1.12 VIK_K1.2 VIK_K2.2 VIK_K3.2
GNDA: DISP2.1 LED20.3 LED21.3 LED22.3 LED23.3 LED24.3 LED25.3 LED26.3 LED27.3 LED28.3 LED29.3 LED30.3 LED31.3 LED32.3 LED33.3 LED34.3 LED35.3 LED36.3 LED37.3 LED38.3 MCU2.22 RE2.C ROLL2.C TRRS2.R1 USB2.1 USB2.12 VIK_K4.2 VIK_K5.2 VIK_K6.2
VCC: DISP1.2 JP3.2 LED1.1 LED2.1 LED3.1 LED4.1 LED5.1 LED6.1 LED7.1 LED8.1 LED9.1 LED10.1 LED11.1 LED12.1 LED13.1 LED14.1 LED15.1 LED16.1 LED17.1 LED18.1 LED19.1 MCU1.21 TRRS1.T USB1.2 USB1.11 VIK_K1.1 VIK_K2.1 VIK_K3.1
VDD: DISP2.2 JP4.2 LED20.1 LED21.1 LED22.1 LED23.1 LED24.1 LED25.1 LED26.1 LED27.1 LED28.1 LED29.1 LED30.1 LED31.1 LED32.1 LED33.1 LED34.1 LED35.1 LED36.1 LED37.1 LED38.1 MCU2.21 TRRS2.T USB2.2 USB2.11 VIK_K4.1 VIK_K5.1 VIK_K6.1
col0: MCU1.3 SW1.2 SW6.2 SW11.2 SW16.2
col0_r: MCU2.3 SW20.2 SW25.2 SW30.2 SW35.2
col1: MCU1.4 RE1.S1 ROLL1.S1 SW2.2 SW7.2 SW12.2
col1_r: MCU2.4 RE2.S1 ROLL2.S1 SW21.2 SW26.2 SW31.2
col2: MCU1.5 SW3.2 SW8.2 SW13.2 SW17.2
col2_r: MCU2.5 SW22.2 SW27.2 SW32.2 SW36.2
col3: MCU1.6 SW4.2 SW9.2 SW14.2 SW18.2
col3_r: MCU2.6 SW23.2 SW28.2 SW33.2 SW37.2
col4: MCU1.7 SW5.2 SW10.2 SW15.2 SW19.2
col4_r: MCU2.7 SW24.2 SW29.2 SW34.2 SW38.2
CS: DISP1.7 MCU1.10 VIK_K1.10 VIK_K2.10 VIK_K3.10
CS_r: DISP2.7 MCU2.10 VIK_K4.10 VIK_K5.10 VIK_K6.10
ENCA: MCU1.8 RE1.A ROLL1.A
ENCA_r: MCU2.8 RE2.A ROLL2.A
ENCB: MCU1.9 RE1.B ROLL1.B
ENCB_r: MCU2.9 RE2.B ROLL2.B
GPIO1: DISP1.8 MCU1.15 VIK_K1.7 VIK_K2.7 VIK_K3.7
GPIO1_r: DISP2.8 MCU2.15 VIK_K4.7 VIK_K5.7 VIK_K6.7
GPIO2: DISP1.5 MCU1.14 VIK_K1.9 VIK_K2.9 VIK_K3.9
GPIO2_r: DISP2.5 MCU2.14 VIK_K4.9 VIK_K5.9 VIK_K6.9
I2C_3V3: JP3.1 R1.1 R2.1
I2C_3V3_r: JP4.1 R3.1 R4.1
LED: JP5.1 LED1.4 MCU1.20
LED_OUT: JP5.2 LED19.2 VIK_K1.5 VIK_K2.5 VIK_K3.5
LED_OUT_r: JP6.2 LED38.2 VIK_K4.5 VIK_K5.5 VIK_K6.5
LED_r: JP6.1 LED20.4 MCU2.20
MISO: DISP1.6 MCU1.13 VIK_K1.11 VIK_K2.11 VIK_K3.11
MISO_r: DISP2.6 MCU2.13 VIK_K4.11 VIK_K5.11 VIK_K6.11
MOSI/SCL: DISP1.4 MCU1.12 R1.2 VIK_K1.4 VIK_K1.8 VIK_K2.4 VIK_K2.8 VIK_K3.4 VIK_K3.8
MOSI/SCL_r: DISP2.4 MCU2.12 R3.2 VIK_K4.4 VIK_K4.8 VIK_K5.4 VIK_K5.8 VIK_K6.4 VIK_K6.8
row0: D1.1 D2.1 D3.1 D4.1 D5.1 MCU1.19
row0_r: D21.1 D22.1 D23.1 D24.1 D25.1 MCU2.19
row1: D6.1 D7.1 D8.1 D9.1 D10.1 MCU1.18
row1_r: D26.1 D27.1 D28.1 D29.1 D30.1 MCU2.18
row2: D11.1 D12.1 D13.1 D14.1 D15.1 MCU1.17
row2_r: D31.1 D32.1 D33.1 D34.1 D35.1 MCU2.17
row3: D16.1 D17.1 D18.1 D19.1 D20.1 MCU1.16
row3_r: D36.1 D37.1 D38.1 D39.1 D40.1 MCU2.16
RX: MCU1.2 TRRS1.R2 USB1.5 USB1.7
RX_r: MCU2.2 TRRS2.R2 USB2.5 USB2.7
SCLK/SDA: DISP1.3 MCU1.11 R2.2 VIK_K1.3 VIK_K1.12 VIK_K2.3 VIK_K2.12 VIK_K3.3 VIK_K3.12
SCLK/SDA_r: DISP2.3 MCU2.11 R4.2 VIK_K4.3 VIK_K4.12 VIK_K5.3 VIK_K5.12 VIK_K6.3 VIK_K6.12
SW_ENCA: D17.2 RE1.S2 ROLL1.S2
SW_ENCA_r: D37.2 RE2.S2 ROLL2.S2
TX: MCU1.1 TRRS1.S USB1.6 USB1.8
TX_r: MCU2.1 TRRS2.S USB2.6 USB2.8
Net-(D1-A): D1.2 SW1.1
Net-(D2-A): D2.2 SW2.1
Net-(D3-A): D3.2 SW3.1
Net-(D4-A): D4.2 SW4.1
Net-(D5-A): D5.2 SW5.1
Net-(D6-A): D6.2 SW6.1
Net-(D7-A): D7.2 SW7.1
Net-(D8-A): D8.2 SW8.1
Net-(D9-A): D9.2 SW9.1
Net-(D10-A): D10.2 SW10.1
Net-(D11-A): D11.2 SW11.1
Net-(D12-A): D12.2 SW12.1
Net-(D13-A): D13.2 SW13.1
Net-(D14-A): D14.2 SW14.1
Net-(D15-A): D15.2 SW15.1
Net-(D16-A): D16.2 SW16.1
Net-(D18-A): D18.2 SW17.1
Net-(D19-A): D19.2 SW18.1
Net-(D20-A): D20.2 SW19.1
Net-(D21-A): D21.2 SW20.1
Net-(D22-A): D22.2 SW21.1
Net-(D23-A): D23.2 SW22.1
Net-(D24-A): D24.2 SW23.1
Net-(D25-A): D25.2 SW24.1
Net-(D26-A): D26.2 SW25.1
Net-(D27-A): D27.2 SW26.1
Net-(D28-A): D28.2 SW27.1
Net-(D29-A): D29.2 SW28.1
Net-(D30-A): D30.2 SW29.1
Net-(D31-A): D31.2 SW30.1
Net-(D32-A): D32.2 SW31.1
Net-(D33-A): D33.2 SW32.1
Net-(D34-A): D34.2 SW33.1
Net-(D35-A): D35.2 SW34.1
Net-(D36-A): D36.2 SW35.1
Net-(D38-A): D38.2 SW36.1
Net-(D39-A): D39.2 SW37.1
Net-(D40-A): D40.2 SW38.1
Net-(LED1-DOUT): LED1.2 LED2.4
Net-(LED2-DOUT): LED2.2 LED3.4
Net-(LED3-DOUT): LED3.2 LED4.4
Net-(LED4-DOUT): LED4.2 LED5.4
Net-(LED5-DOUT): LED5.2 LED6.4
Net-(LED6-DOUT): LED6.2 LED7.4
Net-(LED7-DOUT): LED7.2 LED8.4
Net-(LED8-DOUT): LED8.2 LED9.4
Net-(LED10-DIN): LED9.2 LED10.4
Net-(LED10-DOUT): LED10.2 LED11.4
Net-(LED11-DOUT): LED11.2 LED12.4
Net-(LED12-DOUT): LED12.2 LED13.4
Net-(LED13-DOUT): LED13.2 LED14.4
Net-(LED14-DOUT): LED14.2 LED15.4
Net-(LED15-DOUT): LED15.2 LED16.4
Net-(LED16-DOUT): LED16.2 LED17.4
Net-(LED17-DOUT): LED17.2 LED18.4
Net-(LED18-DOUT): LED18.2 LED19.4
Net-(LED20-DOUT): LED20.2 LED21.4
Net-(LED21-DOUT): LED21.2 LED22.4
Net-(LED22-DOUT): LED22.2 LED23.4
Net-(LED23-DOUT): LED23.2 LED24.4
Net-(LED24-DOUT): LED24.2 LED25.4
Net-(LED25-DOUT): LED25.2 LED26.4
Net-(LED26-DOUT): LED26.2 LED27.4
Net-(LED27-DOUT): LED27.2 LED28.4
Net-(LED28-DOUT): LED28.2 LED29.4
Net-(LED29-DOUT): LED29.2 LED30.4
Net-(LED30-DOUT): LED30.2 LED31.4
Net-(LED31-DOUT): LED31.2 LED32.4
Net-(LED32-DOUT): LED32.2 LED33.4
Net-(LED33-DOUT): LED33.2 LED34.4
Net-(LED34-DOUT): LED34.2 LED35.4
Net-(LED35-DOUT): LED35.2 LED36.4
Net-(LED36-DOUT): LED36.2 LED37.4
Net-(LED37-DOUT): LED37.2 LED38.4

Pads without a net: ROLL1 D; ROLL2 D; USB1 13; USB2 13; VIK_K3 13 14; VIK_K6 13 14

## Via types
v1: diameter 0.8, hole 0.4, Top to Bottom, 158 vias
